# Altium PCB BytePipe_x9002_HDK_Rev2.PcbDoc (part 4 of 5)
Units mil, origin at the board's own origin, x right, y up, seen from the top; angles counter-clockwise.
Board outline 4250 x 4250 mil, 8 copper layers (Top Layer, L2-GND, L3-SIG, L4-GND, L5-PWR, L6-SIG, L7-GND, Bottom Layer), stack 63 mil thick; 296 components, 250 nets, 1198 pads, 2326 vias.
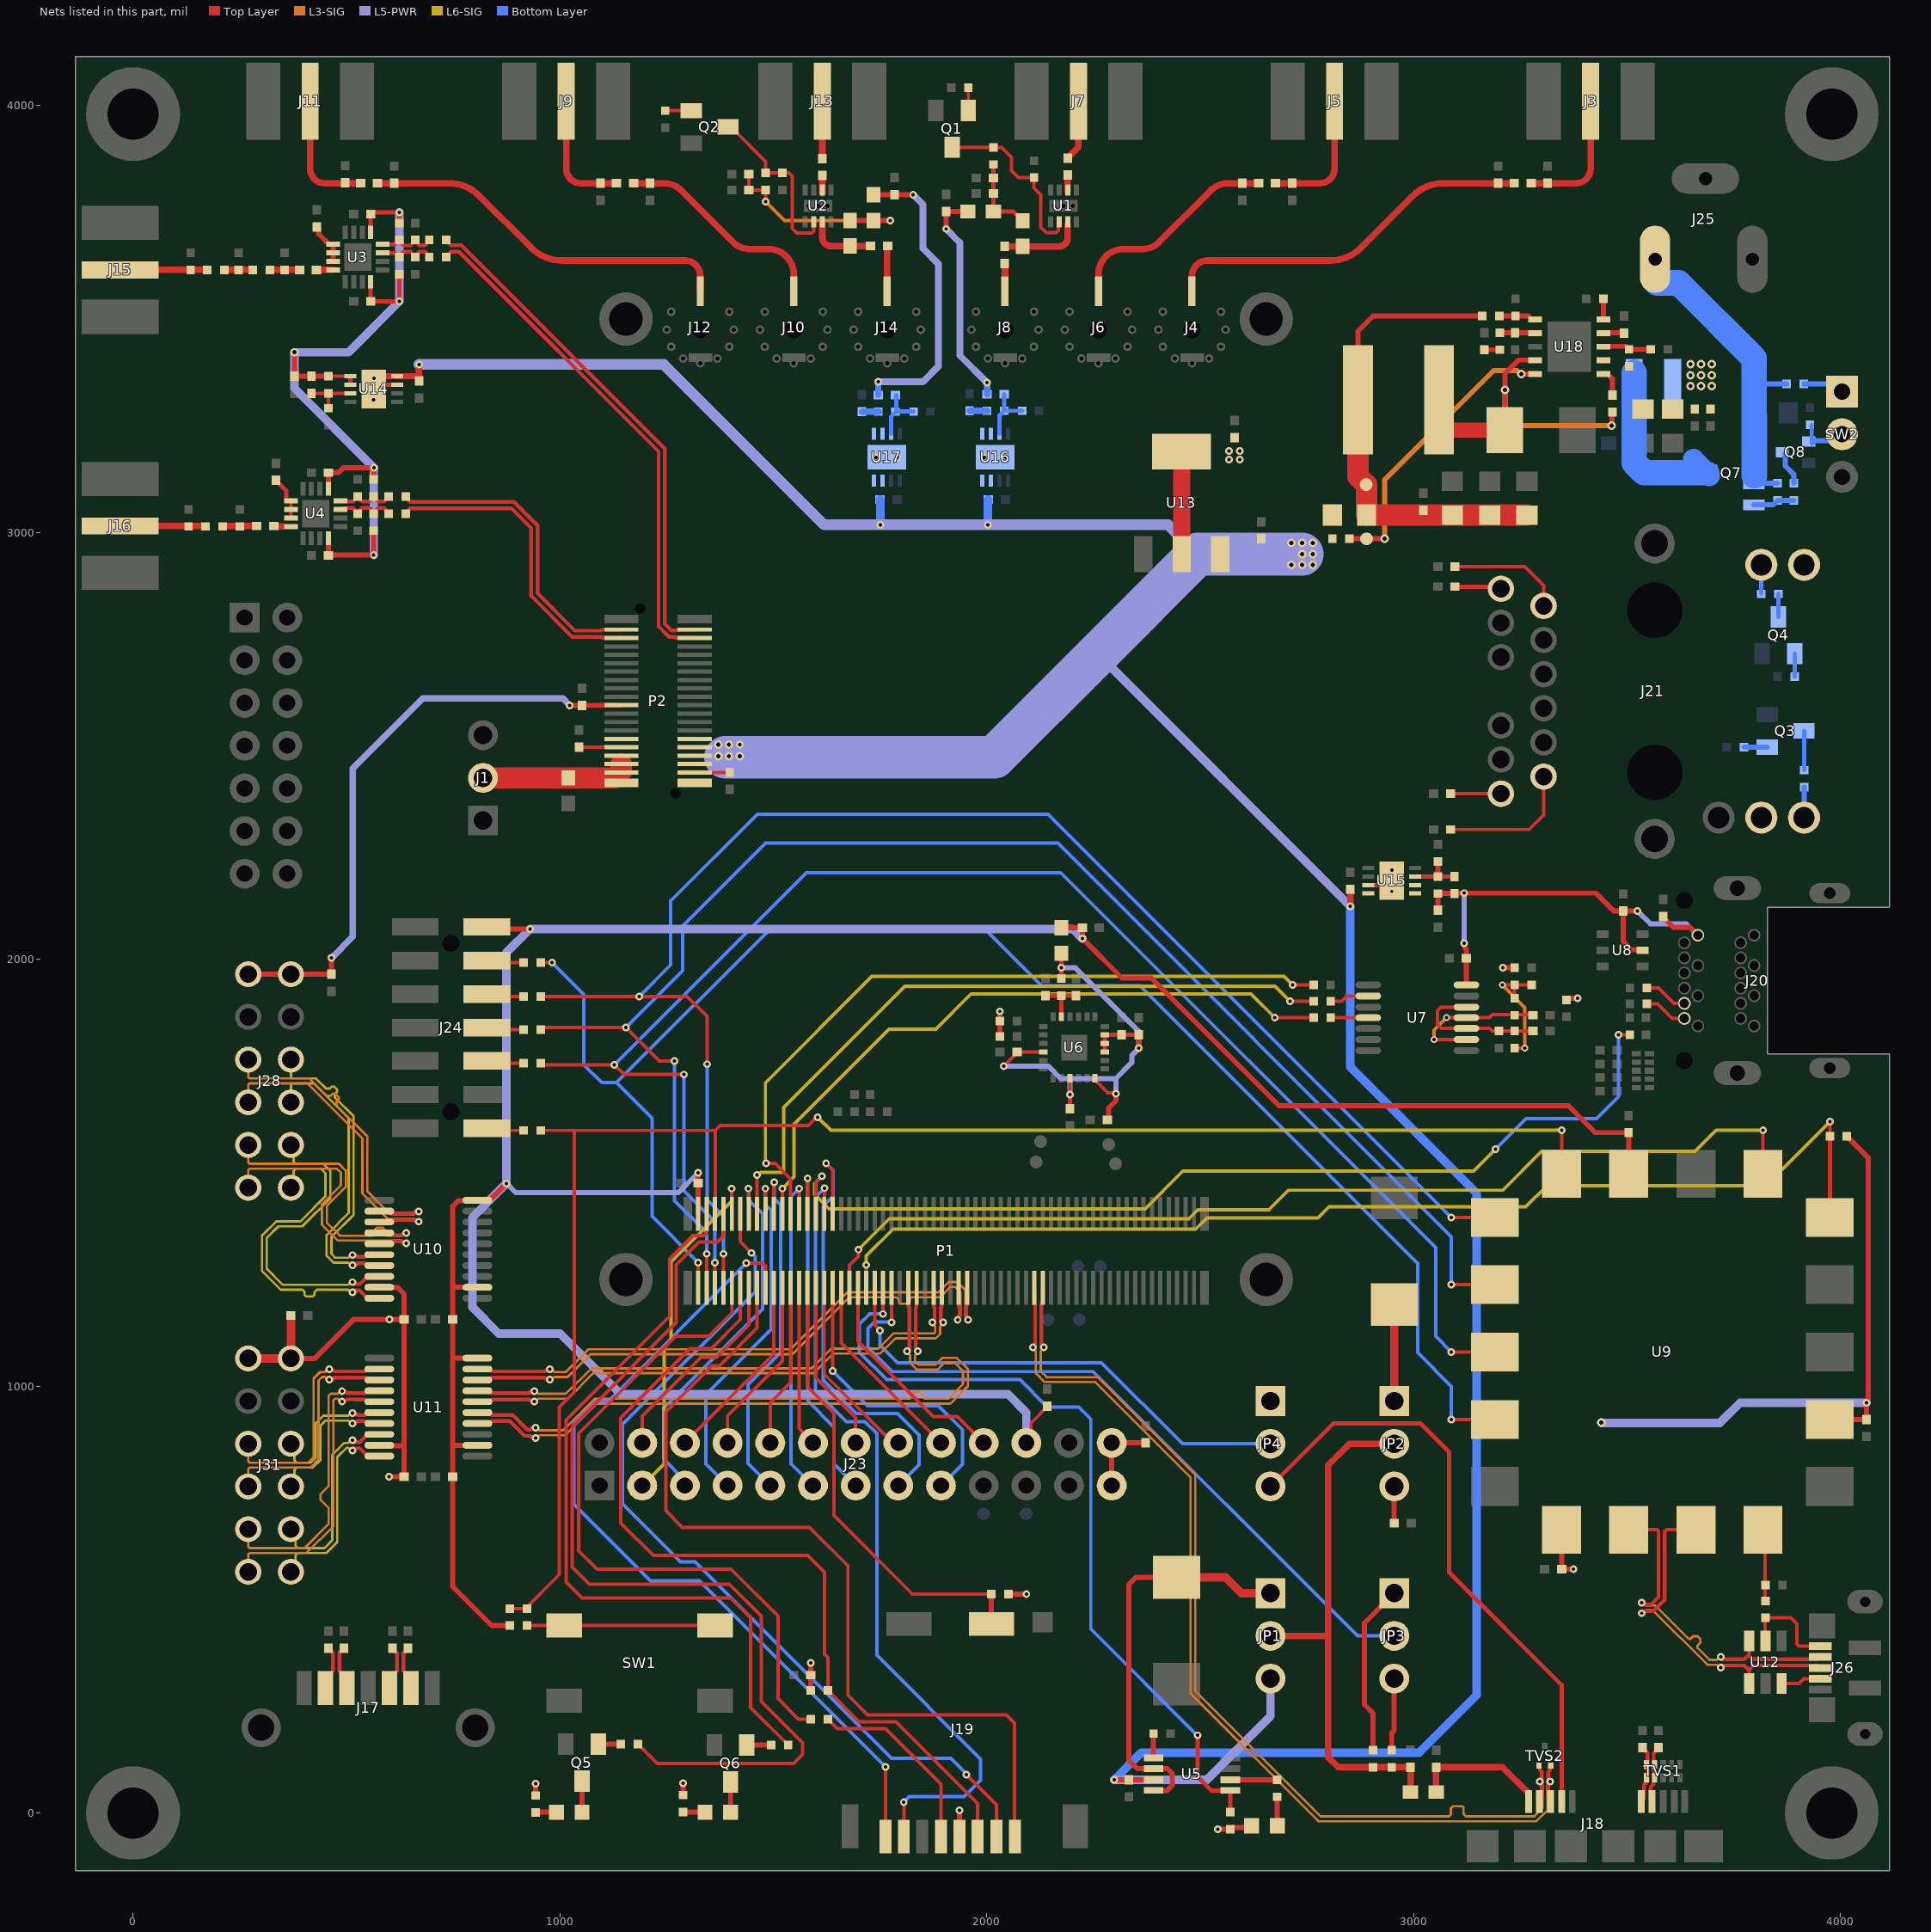
[diagram p10: the nets of this part, all layers, seen from the top]

## Via types
v1: diameter 18, hole 8, Top Layer to Bottom Layer, tented both sides, 2283 vias
v2: diameter 20, hole 10, Top Layer to Bottom Layer, tented both sides, 39 vias
v3: diameter 16, hole 8, Top Layer to Bottom Layer, tented both sides, 4 vias

## Nets (pads, with @x,y where several pads share a name; then routed paths per layer and width w, separated by ;. In a path a pad name is that pad's centre, name@x,y a point inside that pad or via, vN(x,y) a via of type N, cw(c..) or ccw(c..) an arc to the next point about the centre after c; other vN are vias at no path point) (continued)
IO_L10_N: P1.70 U11.5 | length 1574.6
  Top Layer w8.75: U11.5@807,938 835.96,938 841.34,932.62 889.45,932.62 923.86,898.21 931.31,898.21 934.16,901.07 941.45,901.07 v1(943.22,902.84) ; P1.70@1816.42,1230.39 1817.04,1229.76 1817.04,1185.88 1818.88,1184.04 v1@1818.88,1084.9
  L3-SIG w5.5: v1(943.22,902.84) 946.44,902.84 952.69,896.59 964.42,896.59 1007.94,896.59 1081.85,970.51 1819.51,970.51 1823,974 1823,980 1829,986 1843,986 1850,979 1850,975 1854.49,970.51 1910.51,970.51 1944.5,1004.5 1944.5,1035.5 1925.5,1054.5 1900.76,1054.5 1884.76,1038.5 1836.24,1038.5 1820.48,1054.26 1820.48,1072.12 1813.73,1078.87 v1(1813.73,1081.59)
IO_L10_P: P1.68 U11.4 | length 1575.1
  Top Layer w8.75: U11.4@807,912.5 835.96,912.5 841.34,917.88 883.34,917.88 917.75,883.46 931.31,883.46 934.16,880.61 941.45,880.61 v1(943.22,878.84) ; v1@1833.63,1084.76 1833.63,1184.04 1835.48,1185.88 1835.48,1229.76 P1.68@1836.1,1230.39
  L3-SIG w5.5: v1(943.22,878.84) 946.44,878.84 952.69,885.09 969.19,885.09 1012.7,885.09 1086.62,959.01 1915.27,959.01 1956,999.74 1956,1040.26 1930.26,1066 1896,1066 1880,1050 1841,1050 1831.98,1059.02 1831.98,1072.12 1838.73,1078.87 v1(1838.73,1081.59)
IO_L11_N: P1.64 U11.7 | length 1243.7
  Top Layer w8.75: U11.7@807,989 835.96,989 841.34,983.62 856.81,983.62 ; 856.84,983.59 899.8,983.59 ; 899.84,983.56 928.09,983.56 930.94,986.41 938.23,986.41 v1(940,988.18) ; P1.64@1875.47,1230.39 1876.1,1229.76 1876.1,1185.88 1877.94,1184.04 v1@1877.94,1152.1
  L3-SIG w5.5: v1(940,988.18) 943.22,988.18 949.47,981.93 1013.99,981.93 1073.83,1041.77 1590.18,1041.77 1636.4,1088 1745.96,1088 1781.49,1123.53 1876.4,1123.53 1879.62,1126.75 1879.62,1139.51 1872.87,1146.26 v1(1872.87,1148.98)
IO_L11_P: P1.62 U11.6 | length 1262.8
  Top Layer w8.75: U11.6@807,963.5 835.96,963.5 841.34,968.88 850,968.88 850.07,968.81 856.81,968.81 ; 856.84,968.84 893.69,968.84 ; 893.73,968.81 928.09,968.81 930.94,965.95 938.23,965.95 v1(940,964.18) ; v1@1892.69,1152.1 1892.69,1184.04 1894.53,1185.88 1894.53,1229.76 P1.62@1895.16,1230.39
  L3-SIG w5.5: v1(940,964.18) 943.22,964.18 949.47,970.43 1018.75,970.43 1078.6,1030.27 1594.94,1030.27 1641.16,1076.5 1750.73,1076.5 1786.25,1112.03 1881.16,1112.03 1891.12,1121.99 1891.12,1139.51 1897.87,1146.26 v1(1897.87,1148.98)
IO_L12_N: P1.56 U11.9 | length 1395.6
  Top Layer w8.75: U11.9@807,1040 835.96,1040 841.34,1034.63 947.47,1034.63 964.98,1034.61 967.84,1037.47 975.13,1037.47 v1(976.9,1039.24) ; P1.56@1954.21,1230.39 1953.59,1229.76 1953.59,1185.88 1951.75,1184.04 1951.75,1163.04 1956.84,1157.95 v1(1956.84,1155.44)
  L3-SIG w5.5: v1(976.9,1039.24) 980.12,1039.24 986.37,1032.99 1013.55,1032.99 1066.91,1086.35 1540.37,1086.35 1674.01,1220 1886.74,1220 1910.74,1244 1931.26,1244 1950.09,1225.18 1950.09,1164.92 1956.84,1158.17 v1(1956.84,1155.44)
IO_L12_P: P1.58 U11.8 | length 1396.5
  Top Layer w8.75: U11.8@807,1014.5 835.96,1014.5 841.34,1019.88 941.36,1019.88 964.98,1019.86 967.84,1017.01 975.13,1017.01 v1(976.9,1015.24) ; v1(1931.84,1155.44) 1931.84,1157.95 1937,1163.1 1937,1184.04 1935.15,1185.88 1935.15,1229.76 P1.58@1934.53,1230.39
  L3-SIG w5.5: v1(976.9,1015.24) 980.12,1015.24 986.37,1021.49 1018.31,1021.49 1071.68,1074.85 1545.13,1074.85 1678.78,1208.5 1788.5,1208.5 1794,1203 1794,1198 1799,1193 1815,1193 1820,1198 1820,1205 1823.5,1208.5 1891.5,1208.5 1915.5,1232.5 1926.5,1232.5 1938.59,1220.41 1938.59,1164.92 1931.84,1158.17 v1(1931.84,1155.44)
MCS0_N: R6.2 R9.2 R13.1 U3.11 | length 139.4
  Top Layer w8.75: U3.11@585,3655 585.13,3654.87 614.12,3654.87 R6.2@624,3645 629.62,3650.62 629.63,3652.48 634.75,3657.61 650.25,3657.61 655.38,3652.48 655.38,3650.62 R13.1@661,3645 666.62,3650.62 666.62,3653.38 670.88,3657.62 684.12,3657.62 688.38,3653.38 688.38,3650.62 R9.2@694,3645
MCS0_P: R7.2 R8.2 R14.1 U3.12 | length 139.5
  Top Layer w8.75: U3.12@585,3675 U3.12@585,3675 614.12,3675.06 R7.2@624.03,3684.97 629.66,3679.34 629.66,3677.48 634.78,3672.36 650.23,3672.36 655.38,3677.5 655.38,3679.38 R14.1@661,3685 666.62,3679.38 666.62,3676.62 670.88,3672.38 684.12,3672.38 688.38,3676.62 688.38,3679.37 R8.2@694,3685
MCS_N: P2.06 R9.1 | length 1203.9
  Top Layer w8.75: R9.1@734,3645 739.63,3650.62 739.63,3652.5 744.75,3657.62 763.38,3657.62 1231.25,3189.75 1231.25,2779.89 1256.04,2755.11 1270.27,2755.11 1272.11,2753.26 1315.99,2753.26 P2.06@1316.61,2752.64
MCS_P: P2.04 R8.1 | length 1203.9
  Top Layer w8.75: R8.1@734,3685 739.62,3679.38 739.62,3677.5 744.75,3672.38 769.48,3672.38 1246,3195.86 1246,2786 1262.14,2769.86 1270.27,2769.86 1272.11,2771.7 1315.99,2771.7 P2.04@1316.61,2772.32
MIO26: J23.11 P1.95 | length 784
  Top Layer w8: P1.95@1560.44,1403.68 v1@1560.44,1462.93
  Bottom Layer w8: v1(1560.37,1463) 1542,1444.63 1542,818 J23.11@1593,767
MIO27: P1.105 R40.2 | length 1680.1
  Top Layer w8: P1.105@1461.54,1403.07 P1.105@1462.09,1403.61 1462.04,1403.66 1462.04,1494.96 v1(1462,1495) ; v1(2710.94,1902) R40.2@2766,1902
  L6-SIG w8: v1(1462,1495) 1464.71,1495 1470.71,1501 1519.31,1501 1524,1505.69 1524,1653 1808,1937 2675.94,1937 v1(2710.94,1902)
MIO28: P1.91 R49.1 | length 2322
  Top Layer w8: P1.91@1599.88,1403.61 P1.91@1599.88,1403.61 1599.94,1477.94 v1(1614,1492) ; v1(3480.67,1822.92) 3480.75,1823 R49.1@3507,1823
  L6-SIG w8: v1(1614,1492) 1597,1475 1597,1449 1630.7,1415.3 2371.16,1415.3 2459.52,1503.66 3140.9,1503.66 v1(3192.31,1555.07)
  Bottom Layer w8: v1(3192.31,1555.07) 3263.65,1626.41 3429.05,1626.41 3480.67,1678.04 v1(3480.67,1822.92)
MIO29: P1.97 R39.2 | length 1740.1
  Top Layer w8: v1(1483,1522) 1504,1522 1540.83,1485.17 P1.97@1540.83,1403.61 ; v1@2717.12,1939.88 R39.2@2765.88,1939.88
  Top Layer w10: v1(2717,1939.77) v1@2717.12,1939.88 ; R39.2@2765.88,1939.88 R39.2@2766,1940
  L6-SIG w8: v1(1483,1522) 1481.61,1523.39 1481.61,1710.72 1730.88,1960 2696.77,1960 v1(2717,1939.77)
MIO30: P1.99 R42.2 | length 1588.6
  Top Layer w8: v1(1521,1463) 1521.07,1462.93 1521.07,1403.68 P1.99@1521.14,1403.61 ; v1@2675.04,1862.99 R42.2@2766,1863
  L6-SIG w8: v1(1521,1463) 1549,1491 1549,1613.97 1771.52,1836.48 1880.48,1836.48 1963,1919 2619,1919 v1(2675.03,1862.97)
MIO31: J23.5 P1.107 | length 885.6
  Top Layer w8: P1.107@1442.33,1403.68 v1@1442.33,1462.93
  Bottom Layer w8: J23.5@1293,767 1293,779 1243,829 1243,949 1475,1181 1475,1404.04 1442.26,1436.78 v1(1442.26,1463)
MIO32: J23.3 P1.111 | length 842.2
  Top Layer w8: P1.111@1402.96,1403.68 v1@1402.96,1462.93
  L6-SIG w8: J23.3@1193,767 1244,818 1244,1090 1261,1107 1261,1291 1402.89,1432.89 v1(1402.89,1463)
MIO33: J23.13 P1.93 | length 849.9
  Top Layer w8: P1.93@1580.28,1403.7 v1@1580.28,1486.91
  Bottom Layer w8: v1(1580.37,1487) 1580.37,965.63 1642,904 1642,818 J23.13@1693,767
MIO34: J23.6 P1.102 | length 449.7
  Top Layer w8: J23.6@1293,867 1501.34,1075.34 1501.34,1230.27 P1.102@1501.46,1230.39
MIO35: J23.9 P1.101 | length 844.5
  Top Layer w8: P1.101@1501.54,1403.7 v1@1501.54,1478
  Bottom Layer w8: J23.9@1493,767 1441,819 1441,1003 1517,1079 1517,1424 1502,1439 v1(1502,1478)
MIO36: J23.7 P1.103 | length 845.3
  Top Layer w8: P1.103@1481.7,1403.68 v1@1481.7,1462.93
  Bottom Layer w8: J23.7@1393,767 1342,818 1342,980 1495,1133 1495,1412.21 1481.63,1425.58 v1(1481.63,1463)
MIO37: J23.15 P1.87 | length 1066.7
  Top Layer w8: v1(1623.65,1522.39) 1639.1,1506.93 1639.1,1403.76 P1.87@1639.25,1403.61
  Bottom Layer w8: v1(1623.65,1522.39) 1640,1506.03 1640,1445 1617,1422 1617,1014 1695,936 1791,936 1842,885 1842,816 J23.15@1793,767
MIO38: J23.17 P1.88 | length 708.1
  Top Layer w8: v1(1638.95,1035.44) 1639.67,1036.15 1639.67,1229.97 P1.88@1639.25,1230.39
  Bottom Layer w8: v1(1638.95,1035.44) 1720.39,954 1887,954 1943,898 1943,817 J23.17@1893,767
MIO39: J23.14 P1.92 | length 402
  Top Layer w8: P1.92@1599.88,1230.39 1600,1230.27 1600,1019.2 1693,926.2 J23.14@1693,867
MIO40: J23.10 P1.98 | length 383.2
  Top Layer w8: J23.10@1493,867 1493,961 1540.83,1008.83 P1.98@1540.83,1230.39
MIO41: J23.16 P1.90 | length 442.5
  Top Layer w8: P1.90@1619.57,1230.39 1619.57,1027.95 1780.52,867 J23.16@1793,867
MIO42: J23.8 P1.100 | length 416.5
  Top Layer w8: J23.8@1393,867 1393,930.32 1521.14,1058.46 P1.100@1521.14,1230.39
MIO43: J23.4 P1.108 | length 487.7
  Top Layer w8: J23.4@1193,867 1193,929.88 1331.12,1068 1367,1068 1442.4,1143.4 P1.108@1442.4,1230.39
MIO44: J23.12 P1.96 | length 394.9
  Top Layer w8: P1.96@1560.51,1230.39 1560.51,900.98 1593,868.49 J23.12@1593,867
  Bottom Layer w8: J23.12@1582,880.47 1593,869.47 J23.12@1593,867
MIO45: J19.9 P1.94 R35.2 | length 1080.2
  Top Layer w8: P1.94@1580.2,1230.39 1580.2,998.8 1642,937 1642,697 1826.01,512.99 1978.2,512.99 R35.2@2011,513
  Top Layer w12: J19.9@2011,437 R35.2@2011,513
MIO46: J19.7 P1.89 | length 1930.2
  Top Layer w8: P1.89@1619.57,1403.61 1619.78,1403.83 1619.78,1463.78 v1(1620,1464) ; v1(1805.85,25.17) 1806,25.01 J19.7@1806,-55 J19.7@1806,-61
  Bottom Layer w8: v1(1620,1464) 1599,1443 1599,989 1671,917 1715,917 1742.65,889.35 1742.65,369.35 1986,126 1986,77 1947,38 1818.68,38 v1(1805.85,25.17)
MIO47: J19.8 P1.104 | length 2003.9
  Top Layer w8: v1(1437,1288) 1474.81,1288 1481.77,1281.04 P1.104@1481.77,1230.39 P1.104@1481.89,1230.27 ; J19.8@1763,-61 J19.8@1763,-55 v1(1763,108)
  Bottom Layer w8: v1(1437,1288) 1114.5,965.5 1081.5,965.5 1033,917 1033,723 1212,544 1327,544 v1(1763,108)
MIO48: J19.1 P1.106 | length 2094.4
  Top Layer w8: P1.106@1462.04,1230.34 1462.09,1230.3 1462.09,1136.09 1374,1048 1356,1048 1248,940 1248,708 1287,669 1585,669 1675,579 1675,276 1721,230 2046,230 2065,211 2065,-60 J19.1@2066,-61
MIO49: J19.2 P1.109 | length 2065.8
  Top Layer w8: P1.109@1422.72,1403.61 1422.72,1338.48 v1(1449.22,1311.97) ; v1(1952.5,89.5) 2023,19 J19.2@2023,-55
  Bottom Layer w8: v1(1449.22,1311.97) 1457.52,1303.67 1457.52,1221.02 1147,910.5 1147,724 1283,588 1317,588 1777,128 1916,128 1952.5,91.5 v1(1952.5,89.5)
MIO50: J19.3 P1.110 R36.2 | length 2039.4
  Top Layer w8: P1.110@1422.72,1230.39 1422.86,1230.24 1422.86,1155.86 1355,1088 1305,1088 1143,926 1143,679 1219,603 1581,603 1620,564 1620,372 1628,364 R36.2@1628,287 1701,214 1787,214 1979,22 J19.3@1979,-55
MIO51: P1.112 R37.2 | length 1631.9
  Top Layer w8: P1.112@1402.03,1229.39 P1.112@1403.03,1230.39 1403.03,1171.03 1349,1117 1272,1117 1043.98,888.98 1043.98,614.02 1087,571 1401,571 1511,461 1511,267.96 1558.96,220 R37.2@1588,220
NetC6_1: C6.1 C7.1 L1.2 L4.2 R1.1 | length 187.1
  Top Layer w10: R1.1@2016,3862 L1.2@2016,3752 2062,3752 L4.2@2084,3730
NetC8_1: C8.1 J3.1 L2.1 | length 316.4
  Top Layer w15.35: L2.1@3276,3818 C8.1@3314,3818 3381,3818 ccw(c3381,3852) 3415,3852 J3.1@3415,4010
NetC9_1: C9.1 J4.1 L2.2 | length 882.2
  Top Layer w15.35: J4.1@2481,3561 2481,3600 ; 2480.97,3600.5 cw(c2517.5,3600.5) 2517.5,3637.03 ; 2516.5,3637 2805.58,3637 ccw(c2805.58,3737) 2876.29,3666.29 2998.71,3788.71 cw(c3069.42,3718) 3069.42,3818 C9.1@3198,3818 L2.2@3236,3818
NetC10_1: C10.1 J5.1 L3.1 | length 315.4
  Top Layer w15.35: L3.1@2677,3818 C10.1@2716,3818 2781,3818 ccw(c2781,3852) 2815,3852 J5.1@2815,4010
NetC11_1: C11.1 J6.1 L3.2 | length 512.7
  Top Layer w15.35: J6.1@2262,3561 2262,3605 cw(c2321,3605) 2321,3664 ; 2320,3664 2366,3664 ccw(c2366,3717.11) 2403.55,3679.55 2525,3801 cw(c2566.04,3759.96) 2566.04,3818 L3.2@2637,3818
NetC12_1: C12.1 J7.1 | length 155.4
  Top Layer w15.35: C12.1@2190,3877 2215,3902 J7.1@2215,4010 J7.1@2215,4022
NetC12_2: C12.2 U1.2 | length 38
  Top Layer w15.35: U1.2@2190,3799 C12.2@2190,3837
NetC13_1: C13.1 L4.1 U1.7 | length 191.4
  Top Layer w15: C13.1@2042,3670 2170,3670 ; 2190,3690 U1.7@2190,3722
  Top Layer w15.35: 2170,3670 ccw(c2170,3690) 2190,3690
NetC13_2: C13.2 J8.1 | length 69
  Top Layer w15.35: J8.1@2043,3561 C13.2@2043,3630
NetC14_1: C14.1 J9.1 L5.1 | length 295.4
  Top Layer w15.35: J9.1@1015,4010 1015,3852 ccw(c1049,3852) 1049,3818 L5.1@1133,3818
NetC15_1: C15.1 J10.1 L5.2 | length 512.7
  Top Layer w15.35: L5.2@1173,3818 C15.1@1211,3818 1243.96,3818 cw(c1243.96,3759.96) 1285,3801 1406.45,3679.55 ccw(c1444,3717.11) 1444,3664 1490,3664 ; 1489,3664 cw(c1489,3605) 1548,3605 J10.1@1548,3561
NetC16_1: C16.1 J11.1 L6.1 | length 295.4
  Top Layer w15.35: J11.1@415,4010 415,3852 ccw(c449,3852) 449,3818 495,3818 L6.1@533,3818
NetC17_1: C17.1 J12.1 L6.2 | length 883.2
  Top Layer w15.35: L6.2@573,3818 740.58,3818 cw(c740.58,3718) 811.29,3788.71 933.71,3666.29 ccw(c1004.42,3737) 1004.42,3637 1293.5,3637 ; 1292.5,3637.03 cw(c1292.5,3600.5) 1329.03,3600.5 ; J12.1@1329,3561 1329,3600
NetC19_1: C19.1 C20.1 L7.2 L8.2 R4.1 | length 506.2
  Top Layer w8: C20.1@1443,3839 C19.1@1443,3802 R4.1@1482,3802 v1@1482,3776
  Top Layer w12: L8.2@1680,3731 L7.2@1735,3731 v1(1774,3731)
  L3-SIG w8: v1(1482,3775) 1526,3731 v1(1774,3731)
NetC21_1: C21.1 J13.1 | length 134
  Top Layer w15.35: C21.1@1615,3876 J13.1@1615,4010
NetC21_2: C21.2 U2.2 | length 41
  Top Layer w15.35: U2.2@1615,3795 C21.2@1615,3836
NetC22_1: C22.1 L8.1 U2.7 | length 154.7
  Top Layer w15.35: U2.7@1615,3721 1615,3691 ccw(c1635,3691) 1635,3671 L8.1@1680,3671 C22.1@1728,3671 C22.1@1728.31,3671
NetC22_2: C22.2 J14.1 | length 110
  Top Layer w15.35: J14.1@1767,3561 C22.2@1767,3671
NetC25_1: C25.1 R12.1 R17.1 | length 69
  Top Layer w15.35: R12.1@321,3615 R17.1@355,3615 C25.1@390,3615
NetC25_2: C25.2 U3.4 | length 39
  Top Layer w15.35: C25.2@430,3615 U3.4@469,3615
NetC26_1: C26.1 U3.1 U3.2 U3.3 | length 102.6
  Top Layer w12: C26.1@430.55,3715.87 434.55,3711.87 434.55,3699.45 459,3675 U3.1@469,3675 U3.2@469,3655 U3.3@469,3635
NetC29_1: C29.1 R22.1 R26.1 | length 80
  Top Layer w15.35: R22.1@210.04,3014.81 250.04,3014.81 C29.1@290.04,3014.81
NetC29_2: C29.2 U4.4 | length 21.4
  Top Layer w12: C29.2@330,3015 C29.2@331,3014
  Top Layer w15.35: C29.2@331,3014 351,3014
NetC30_1: C30.1 U4.1 U4.2 U4.3 | length 107.8
  Top Layer w8: U4.3@370.04,3034.81 370.04,3054.81 U4.1@370.04,3074.81
  Top Layer w10: C30.1@335.19,3122.34 335.19,3121.34 359.04,3097.49 359.04,3075.81 360.04,3074.81 U4.1@370.04,3074.81
NetC36_1: C36.1 JP1.1 U5.6 U5.8 | length 956.6
  Top Layer w12: U5.8@2391,53 2423,53 2435,65 2435,92 2423,104 U5.6@2391,104 2353,104 2333,124 2333,535 2350,552 C36.1@2445,552
  Top Layer w20: C36.1@2445,552 2560,552 2597,515 JP1.1@2665,515
NetC37_1: C37.1 JP2.1 | length 226
  Top Layer w20: JP2.1@2955,965 C37.1@2955,1191
NetC38_1: C38.1 JP2.3 | length 86
  Top Layer w12: C38.1@2955,679 JP2.3@2955,765
NetC40_1: C40.1 J18.1 L9.2 | length 319.3
  Top Layer w12: J18.1@3270,27 J18.1@3270,46
  Top Layer w15: L9.2@3053,49 C40.1@3053,107 3209,107 J18.1@3270,46
NetC44_1: C44.1 C45.1 C46.1 C47.1 C50.1 L10.2 R32.1 U6.10 U6.15 U6.18 U6.21 U6.22 U6.23 | length 1247.3
  Top Layer w8: v1(2040,1750) 2072,1782 C50.1@2071,1783 U6.10@2133,1783 ; v1(2195,1683) U6.15@2195,1721 ; U6.18@2254,1721 2254,1717 2284.09,1686.91 2301.09,1686.91 v1(2303,1685)
  Top Layer w10: R32.1@2175,1955 v1(2175,1980) L10.2@2175,2014 ; C46.1@2195,1650 v1(2195,1683) ; U6.21@2277,1783 U6.22@2277,1803 U6.23@2277,1823 C44.1@2356,1823 v1(2356,1792)
  Top Layer w12: C45.1@2282.92,1623.47 2285.75,1626.3 2285.75,1651.47 2303,1668.72 v1(2303,1685)
  L5-PWR w12: v1(2040,1750) 2144,1750 2174,1720 2302,1720 ; v1(2175,1980) 2208,1980 2356,1832 v1(2356,1792) 2356,1790.38 2340,1774.38 2340,1758 2302,1720 ; v1(2195,1683) 2195,1719 ; v1(2303,1685) 2303,1719 2302,1720
NetC48_1: C48.1 C49.1 R32.2 U6.5 | length 121
  Top Layer w10: C48.1@2138,1915 R32.2@2175,1915 ; U6.5@2175,1865 R32.2@2175,1915 ; C49.1@2209,1915 R32.2@2175,1915
NetC58_1: C58.1 R38.2 R44.1 U7.10 U7.12 | length 334.5
  Top Layer w8: U7.12@3124,1888 3064,1888 3056,1880 3056,1847 3065,1838 U7.10@3124,1838 3178,1838 3184,1832 R38.2@3200,1832 C58.1@3280,1832
NetC59_1: C59.1 R43.1 U7.9 U7.11 | length 345.3
  Top Layer w8: v3(3048,1812) U7.9@3124,1812 ; v3(3077,1863) U7.11@3124,1863 3178,1863 3185,1870 3279,1870 C59.1@3280,1869
  L3-SIG w8: v3(3048,1812) 3048,1834 v3(3077,1863)
NetC61_2: C61.2 J21.12 | length 118
  Top Layer w8: C61.2@3087,2388 J21.12@3205,2388
NetC62_2: C62.2 J21.6 | length 322.1
  Top Layer w8: C62.2@3087,2304 3271,2304 3305,2338 J21.6@3305,2428
NetC63_2: C63.2 J21.1 | length 274.2
  Top Layer w8: C63.2@3097,2920 3261,2920 3305,2876 J21.1@3305,2828
NetC64_2: C64.2 J21.7 | length 111.1
  Top Layer w10: C64.2@3098,2878 3103,2873 3200,2873 J21.7@3205,2868
NetC73_2: C73.2 C74.2 C92.1 C93.1 L11.2 R79.2 U18.2
  other v2: 3649,3343 3674,3343 3699,3343 3649,3368 3674,3368 3699,3368 3649,3394 3674,3394 3699,3394
NetC81_2: C81.2 R66.1 R67.2 U14.3 | length 126
  Top Layer w8: C81.2@418,3326 R66.1@458,3326 ; R67.2@458,3291 R66.1@458,3326 ; U14.3@509,3326 R66.1@458,3326
NetC84_2: C84.2 R71.1 R72.2 U15.3 | length 131
  Top Layer w10: U15.3@3004,2194 R71.1@3057,2194 C84.2@3100,2194
  Top Layer w12: R71.1@3057,2194 R72.2@3057,2229
NetC87_2: C87.2 R73.1 R74.2 U16.3 | length 139.6
  Bottom Layer w10: U16.3@2030,3231 2030,3274 R73.1@2041,3285 ; C87.2@2041,3324 R73.1@2041,3285 ; R74.2@2083,3285 R73.1@2041,3285
NetC90_2: C90.2 R75.1 R76.2 U17.3 | length 137
  Bottom Layer w10: U17.3@1776,3231 1776,3271 R75.1@1788,3283 ; C90.2@1788,3322 R75.1@1788,3283 ; R76.2@1829,3283 R75.1@1788,3283
NetC94_1: C94.1 J25.1 Q7.1 Q7.2 Q7.3 R78.1 R84.1 | length 756.2
  Bottom Layer w12: Q7.3@3797.56,3115 R78.1@3853,3115 ; 3798,3348 R84.1@3874,3348
  Bottom Layer w50: J25.1@3566,3630 3566,3615.32 J25.1@3575.7,3605.61 ; C94.1@3798,3275 C94.1@3798.53,3274.47
  Bottom Layer w60: J25.1@3571.08,3605.61 3571.08,3584.51 3621.49,3584.51 3798,3408 3798,3348 C94.1@3798,3280 C94.1@3798,3275 ; 3798.53,3133 3798.53,3165 3798.53,3215 C94.1@3798.53,3274.47
NetC95_1: C95.1 L11.1 Q7.5 | length 448.7
  Bottom Layer w50: 3656,3170.38 Q7.5@3686.38,3140 ; Q7.5@3680.91,3140 Q7.5@3686.38,3140 ; Q7.5@3692.44,3140 Q7.5@3686.38,3140 ; Q7.5@3693.41,3132.97 Q7.5@3686.38,3140
  Bottom Layer w60: L11.1@3517,3374 L11.1@3517,3339 C95.1@3517,3209 3517,3163.28 3540.28,3140 Q7.5@3680.91,3140
NetC96_1: C96.1 U18.1 | length 64
  Top Layer w12: U18.1@3445,3372 3454,3372 3466,3360 C96.1@3466,3322
NetC96_2: C96.2 D1.1 L12.1 U18.9 | length 827.7
  Top Layer w12: L12.1@3080,3269 L12.1@3080,3311 ; D1.1@3214,3240 3214.3,3240.3 v2(3214.3,3333.62) 3214.3,3372.3 3245.77,3403.77 U18.9@3284.77,3403.77 ; v2(3464,3250) 3465,3251 3465,3281 C96.2@3466,3282 C96.2@3466,3281
  Top Layer w35: L12.1@3060,3311 3060,3257.5 3077.5,3240 D1.1@3214,3240
  L3-SIG w12: v2(3214.3,3333.62) 3214.3,3270.7 3235,3250 v2(3464,3250)
NetC97_2: C97.2 C98.1 C99.1 C100.1 L12.2 R81.1 R82.2 TP12.1 | length 1120.6
  Top Layer w12: L12.2@2870,3311 2870,3471.65 2905.35,3507 R82.2@3161,3507
  Top Layer w25: C100.1@3265,3041 C100.1@3266,3040
  Top Layer w50: L12.2@2870,3311 2870,3131 TP12.1@2889,3112 ; TP12.1@2890,3112 R81.1@2890,3041 C100.1@3265,3041
NetC101_2: C101.2 U18.4 | length 49
  Top Layer w12: U18.4@3445,3468 C101.2@3494,3468
NetC102_2: C102.2 R87.2 U18.7 | length 83
  Top Layer w12: R87.2@3202,3468 U18.7@3285,3468
NetC103_1: C103.1 R87.1 | length 36
  Top Layer w12: C103.1@3166,3428 R87.1@3202,3428
NetJ15_1: J15.1 R10.2 R15.1 | length 204
  Top Layer w15.35: J15.1@-30,3615 R15.1@135,3615 R10.2@174,3615
NetJ16_1: J16.1 R22.2 R25.1 | length 200
  Top Layer w15.35: J16.1@-29.96,3014.81 130.04,3014.81 R22.2@170.04,3014.81
NetJ19_5: J19.5 R37.1 | length 457
  Top Layer w8: R37.1@1628,220 1650,198 1763,198 1893,68 J19.5@1893,-55 J19.5@1893,-61
NetJ20_4: J20.4 R45.1 | length 102
  Top Layer w8: R45.1@3547,1896 3572,1896 3606.58,1861.42 J20.4@3634.72,1861.42
NetJ20_6: J20.6 R46.1 | length 102.7
  Top Layer w8: R46.1@3547,1933 3574,1933 3610.15,1896.85 J20.6@3634.72,1896.85
NetJ21_13: J21.13 R53.2 | length 68
  Bottom Layer w10: R53.2@3815,2856 J21.13@3815,2924
NetJ21_17: J21.17 R51.2 | length 73.8
  Top Layer w12: J21.17@3913,2330 J21.17@3915,2332
  Bottom Layer w12: J21.17@3915,2332 R51.2@3915,2403
NetJ24_4: J24.4 R55.2 | length 86
  Top Layer w8: J24.4@829,1992 R55.2@915,1992
NetJ24_6: J24.6 R56.2 | length 86
  Top Layer w8: J24.6@829,1913 R56.2@915,1913
NetJ24_8: J24.8 R57.2 | length 86
  Top Layer w8: J24.8@829,1835 R57.2@915,1835
NetJ24_10: J24.10 R58.2 | length 86
  Top Layer w8: J24.10@829,1757 R58.2@915,1757
NetJ24_14: J24.14 R59.2 | length 86